# KiCad board RP2040_motor.kicad_pcb (continued)
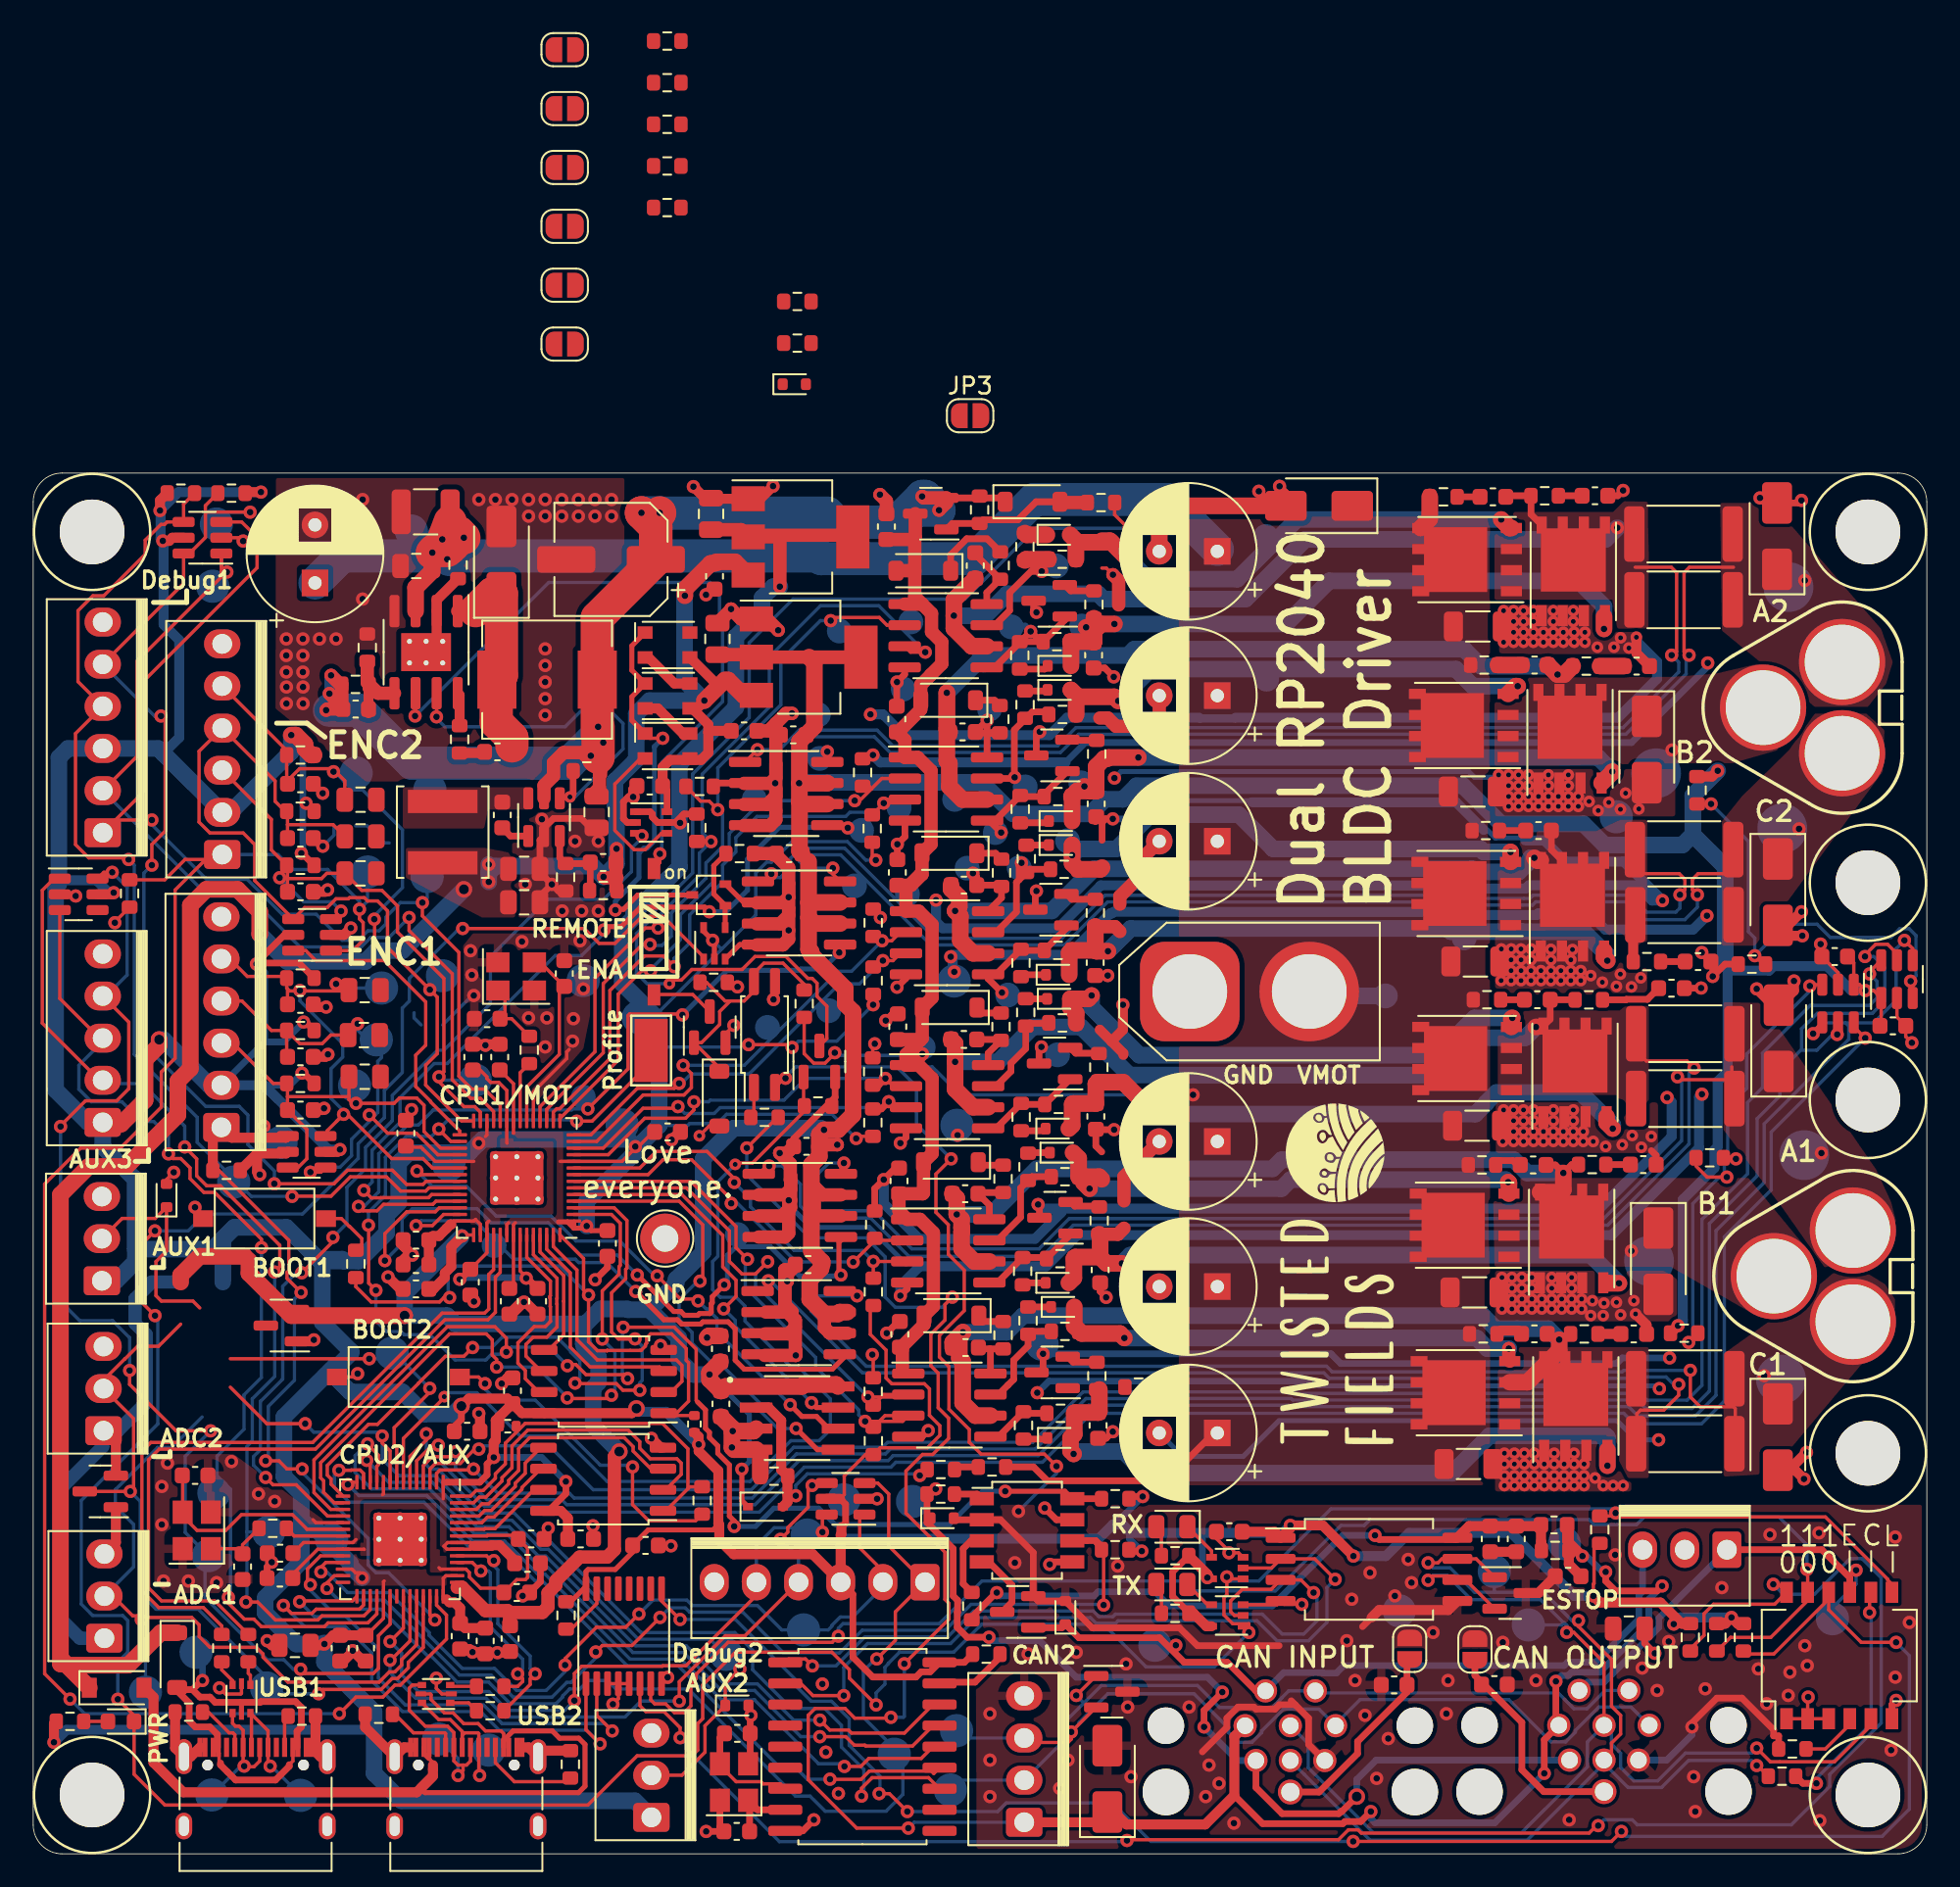
[diagram p0: board, top side]
## Nets (continued)
/power_and_cpu/ENC2_CS: C63.2 C91.2 J4.4 R55.2 TP24.1 U15.28 U30.4
/power_and_cpu/ENC2_RX: C64.2 C90.2 J4.3 R57.2 TP25.1 U15.27 U30.3
/power_and_cpu/ENC2_SCK: C23.2 C92.2 J4.5 R53.2 TP23.1 U15.29 U30.6
/power_and_cpu/ESTOP: R76.2 TP22.1 U15.30 U19.17 U34.8
/power_and_cpu/ESTOP_SQUARE: D28.1 J2.6 J17.6 R75.1 TP59.1
/power_and_cpu/ESTOP_SWITCH_IN: D32.1 J2.1 J8.3 Q7.1 TP61.1
/power_and_cpu/ESTOP_SWITCH_OUT: J8.1 J17.1 SW3.9 TP63.1
/power_and_cpu/ESTOP_SWITCH_STATUS: R49.2 U19.27 U34.6
/power_and_cpu/FB: C113.2 R96.1 R97.2 U33.5
/power_and_cpu/GPIO0: U15.2 U19.16
/power_and_cpu/GPIO1: U15.3 U19.15
/power_and_cpu/GPIO23: U15.35 U22.6
/power_and_cpu/GPIO24: J5.5 R62.2 TP14.1 U15.36 U43.6
/power_and_cpu/GPIO25: J5.4 R63.1 TP13.1 U15.37 U43.4
/power_and_cpu/ID1: R13.2 SW3.12 U35.6
/power_and_cpu/ID2: R12.2 SW3.11 U35.7
/power_and_cpu/ID3: R11.2 SW3.10 U35.9
/power_and_cpu/LED: U10.3 U19.18
/power_and_cpu/QSPI_SCLK: U12.6 U15.52
/power_and_cpu/QSPI_SCLK_2: U13.6 U19.52
/power_and_cpu/QSPI_SD0: U12.5 U15.53
/power_and_cpu/QSPI_SD0_2: U13.5 U19.53
/power_and_cpu/QSPI_SD1: U12.2 U15.55
/power_and_cpu/QSPI_SD1_2: U13.2 U19.55
/power_and_cpu/QSPI_SD2: U12.3 U15.54
/power_and_cpu/QSPI_SD2_2: U13.3 U19.54
/power_and_cpu/QSPI_SD3: U12.7 U15.51
/power_and_cpu/QSPI_SD3_2: U13.7 U19.51
/power_and_cpu/QSPI_SS: R41.1 R42.2 U12.1 U15.56
/power_and_cpu/QSPI_SS_2: R51.2 R66.1 U13.1 U19.56
/power_and_cpu/RXD: U17.2 U18.2 U23.2
/power_and_cpu/RXI_2: J12.4 TP31.1 U3.4 U19.37
/power_and_cpu/SCL1: U19.30 U35.1
/power_and_cpu/SDA1: U19.29 U35.2
/power_and_cpu/SPI1_CSn_2: U18.16 U19.12
/power_and_cpu/SPI1_INT: U18.12 U19.6
/power_and_cpu/SPI1_RX_2: U18.15 U19.11
/power_and_cpu/SPI1_SCK_2: U18.13 U19.13
/power_and_cpu/SPI1_TX_2: U18.14 U19.14
/power_and_cpu/SW: C114.1 D27.1 L3.1 U33.1
/power_and_cpu/SWCLK: J5.1 TP10.1 U15.24 U43.3
/power_and_cpu/SWCLK_2: J12.1 TP28.1 U3.3 U19.24
/power_and_cpu/SWD: J5.2 TP11.1 U15.25 U43.1
/power_and_cpu/SWD_2: J12.2 TP29.1 U3.1 U19.25
/power_and_cpu/TH_MOTOR1: J3.1 R74.1 TP16.1 U19.40 U29.1
/power_and_cpu/TH_MOTOR2: J4.1 R79.1 TP27.1 U19.41 U30.1
/power_and_cpu/TXD: U6.2 U17.3 U18.1
/power_and_cpu/TXO_2: J12.5 TP32.1 U3.6 U19.36
/power_and_cpu/USB_D+: J1.A6 J1.B6 TP41.1 U27.6
/power_and_cpu/USB_D-: J1.A7 J1.B7 TP42.1 U27.4
/power_and_cpu/USB_D_2+: J6.A6 J6.B6 TP43.1 U28.6
/power_and_cpu/USB_D_2-: J6.A7 J6.B7 TP39.1 U28.4
/power_and_cpu/USB_DN: R61.2 U15.46
/power_and_cpu/USB_DN_2: R71.2 U19.46
/power_and_cpu/USB_DP: R60.2 U15.47
/power_and_cpu/USB_DP_2: R70.2 U19.47
/power_and_cpu/VDC_CLK: U15.5 U22.7
/power_and_cpu/VDC_CS: U15.4 U22.5
/power_and_cpu/WS2812_SINK: D33.1 D34.1 D35.1 Q11.3
/power_and_cpu/~{EN}: SW4.2 U33.6
/power_and_cpu/~{USB_BOOT_2}: R66.2 SW2.2
/power_and_cpu/~{USB_BOOT}: R41.2 SW1.2
M1A_PWM_H: R129.2 U7.2 U15.11
M1A_PWM_L\: R130.2 U7.3 U15.12
M1A_SENSE: TP55.1 U15.40 U20.5
M1B_PWM_H: R125.2 U4.2 U15.8
M1B_PWM_L\: R126.2 U4.3 U15.9
M1C_PWM_H: R127.2 U1.2 U15.6
M1C_PWM_L\: R128.2 U1.3 U15.7
M1C_SENSE: TP12.1 U14.5 U15.41
M2A_PWM_H: R120.2 TP85.1 U8.2 U15.17
M2A_PWM_L\: R119.2 TP86.1 U8.3 U15.18
M2A_SENSE: TP87.1 U15.38 U21.5
M2B_PWM_H: R121.2 TP93.1 U5.2 U15.15
M2B_PWM_L\: R122.2 TP92.1 U5.3 U15.16
M2C_PWM_H: R123.2 TP91.1 U2.2 U15.13
M2C_PWM_L\: R124.2 TP90.1 U2.3 U15.14
M2C_SENSE: TP69.1 U15.39 U44.5
VMOT: AH1.3 AH2.3 BH1.3 BH2.3 C3.1 C4.1 C5.1 C6.1 C7.1 C26.1 C68.1 C76.1 C77.1 C78.1 C79.1 C80.1 C111.1 C112.1 C120.1 CH1.3 CH2.3 D4.1 J21.2 R2.1 R4.1 R5.1 R14.1 R86.1 R88.1 R91.1 R95.2 R102.1 R118.1 TP49.1 TP72.1 U33.3
Net-(C28-Pad1): C28.1 R52.2 Y1.1
Net-(C42-Pad1): C42.1 R47.2 Y2.1
Net-(C93-Pad1): C93.1 R4.2
Net-(C99-Pad1): C99.1 R5.2
Net-(C100-Pad1): C100.1 R14.2
Net-(C101-Pad1): C101.1 R86.2
Net-(C102-Pad1): C102.1 R87.2
Net-(C103-Pad1): C103.1 R88.2
Net-(C104-Pad1): C104.1 R89.2
Net-(C105-Pad1): C105.1 R90.2
Net-(C106-Pad1): C106.1 R91.2
Net-(C107-Pad1): C107.1 R92.2
Net-(C108-Pad1): C108.1 R93.2
Net-(C109-Pad1): C109.1 R94.2
Net-(C114-Pad2): C114.2 R98.2
Net-(D2-K): D2.1 R26.1
Net-(D5-K): D5.1 R7.2
Net-(D6-K): D6.1 R8.2
Net-(D7-K): D7.1 R3.1
Net-(D10-K): D10.1 R1.1
Net-(D11-K): D11.1 R19.1
Net-(D12-K): D12.1 R20.2
Net-(D13-K): D13.1 R82.2
Net-(D14-K): D14.1 R30.2
Net-(D15-K): D15.1 R22.2
Net-(D16-K): D16.1 R18.2
Net-(D17-K): D17.1 R31.2
Net-(D19-K): D19.1 R37.1
Net-(D20-K): D20.1 R38.2
Net-(D21-K): D21.1 R6.1
Net-(D22-K): D22.1 R34.2
Net-(D23-K): D23.1 R35.2
Net-(D24-K): D24.1 R39.2
Net-(D31-A): D31.2 R64.2 R65.1 U22.2
Net-(D33-DIN): D33.2 U10.4
Net-(D33-DOUT): D33.4 D34.2
Net-(D34-DOUT): D34.4 D35.2
Net-(D38-A): D38.2 R67.2
Net-(D38-K): D38.1 U6.4
Net-(D39-A): D39.2 R68.2
Net-(D39-K): D39.1 U23.4
Net-(D41-A): D41.2 R77.2
Net-(D45-K): D45.1 Q8.1 R102.2 R103.1 U16.4
Net-(D46-A): D46.2 Q10.1 R104.1 R139.1
Net-(D53-K): D54.2 R118.2 R131.1
Net-(J1-CC1): J1.A5 R43.2
Net-(J1-CC2): J1.B5 R44.1
Net-(J6-CC1): J6.A5 R40.2
Net-(J6-CC2): J6.B5 R46.1
Net-(JP1-B): C92.1 JP1.2
Net-(JP2-B): C89.2 JP2.2
Net-(JP4-B): C90.1 JP4.2
Net-(JP5-B): C91.1 JP5.2
Net-(JP6-B): C123.1 J17.9 JP6.2
Net-(JP7-B): C124.1 J2.9 JP7.2
Net-(JP8-B): C88.2 JP8.2
Net-(JP9-B): C87.1 JP9.2
Net-(Q1-B): Q1.1 R117.2
Net-(Q1-E): Q1.2 R23.1
Net-(Q2-B): Q2.1 R111.2
Net-(Q2-E): Q2.2 R29.1
Net-(Q3-B): Q3.1 R112.2
Net-(Q3-E): Q3.2 R36.1
Net-(Q4-B): Q4.1 R108.2
Net-(Q4-E): Q4.2 R73.1
Net-(Q5-B): Q5.1 R110.2
Net-(Q5-E): Q5.2 R81.1
Net-(Q6-B): Q6.1 R140.2
Net-(Q6-E): Q6.2 R85.1
Net-(Q7-D): Q7.3 U34.4
Net-(Q8-D): Q8.3 SW4.1
Net-(Q9-D): Q9.3 R104.2
Net-(Q11-G): Q11.1 R138.1 U25.4
Net-(R2-Pad2): R2.2 R64.1
Net-(R10-Pad1): R10.1 SW3.4
Net-(R48-Pad2): R48.2 U34.3
Net-(R60-Pad1): R60.1 U27.1
Net-(R61-Pad1): R61.1 U27.3
Net-(R70-Pad1): R70.1 U28.1
Net-(R71-Pad1): R71.1 U28.3
Net-(R75-Pad2): R75.2 U34.1
Net-(R95-Pad1): R95.1 U33.2 U33.9
Net-(R100-Pad2): R100.2 U16.1
Net-(U1-HO): R82.1 R84.1 U1.7
Net-(U1-LO): R20.1 R83.1 R140.1 U1.5
Net-(U1-VB): C85.2 R19.2 U1.8
Net-(U2-HO): R8.1 R28.1 TP65.1 U2.7
Net-(U2-LO): R7.1 R27.1 R111.1 TP67.1 U2.5
Net-(U2-VB): C65.2 R1.2 TP62.1 U2.8
Net-(U4-HO): R35.1 R80.1 U4.7
Net-(U4-LO): R34.1 R78.1 R110.1 U4.5
Net-(U4-VB): C71.2 R6.2 U4.8
Net-(U5-HO): R22.1 R24.1 TP75.1 U5.7
Net-(U5-LO): R18.1 R25.1 R117.1 TP76.1 U5.5
Net-(U5-VB): C13.2 R26.2 TP78.1 U5.8
Net-(U7-HO): R39.1 R69.1 U7.7
Net-(U7-LO): R38.1 R59.1 R108.1 U7.5
Net-(U7-VB): C84.2 R37.2 U7.8
Net-(U8-HO): R31.1 R33.1 TP80.1 U8.7
Net-(U8-LO): R30.1 R32.1 R112.1 TP83.1 U8.5
Net-(U8-VB): C70.2 R3.2 U8.8
Net-(U9-VIN): R45.1 TH1.2 U9.3
Net-(U15-XIN): C27.1 U15.20 Y1.3
Net-(U15-XOUT): R52.1 U15.21
Net-(U18-OSC1): C58.1 U18.8 Y3.1
Net-(U18-OSC2): C57.1 U18.7 Y3.3
Net-(U18-~{RESET}): R72.1 U18.17
Net-(U19-XIN): C19.1 U19.20 Y2.3
Net-(U19-XOUT): R47.1 U19.21
Net-(U24-BS): C98.1 U24.1
Net-(U24-FB): C97.2 R15.1 R16.1 U24.3
Net-(U24-SW): C98.2 L2.1 U24.6
Net-(U26-VIN): R21.1 TH2.2 U26.3
Net-(U35-~{RESET}): R137.1 U35.15

Pads without a net: D35 4; J1 A8 B8; J6 A8 B8; J8 2; U18 3 4 5 6 10 11; U19 28 35; U31 4; U35 10 11 12 13 14

## Via types
v1: diameter 0.7, hole 0.3, Top to Bottom, 213 vias
v2: diameter 0.8, hole 0.4, Top to Bottom, 635 vias
v3: diameter 1, hole 0.6, Top to Bottom, 8 vias

## Routing (per net, layer and track width the routed paths; a pad name or vN(x,y) marks a point on that pad's centre or on a via; arc(x,y) is an arc through that point)
12V_SWITCHED: length 70.5
  Top w0.8: 53.12,79.34 53.02,79.25 C15.2 ; 53.12,79.34 53.12,77.33 ; 53.12,79.34 53.15,79.37 Q10.3 ; 52.07,58.4 52.9,58.4 53.55,59.06 ; 53.12,77.33 53.12,75.8 53.57,75.35 ; 53.12,77.33 53.09,77.36 51.99,77.36 ; U7.1 52.91,47.56 v2(53.57,48.23) ; U7.1 53.36,47.56 54.17,46.75 54.17,42.22 53.65,41.7 53.65,39.84 53.6,39.8 C14.2 52.17,38.75 U4.1 53.43,38.26 54.24,37.45 54.24,33.01 D11.2 53.68,31.91 52.31,30.55 C10.2 52.37,30.4 52.37,29.32 ; U7.1 52.59,48.19 53.45,49.05 ; 53.57,75.35 U8.1 ; 53.57,75.35 54.13,74.78 54.13,73.67 54.75,73.05 54.75,71.75 54.09,71.09 54.09,71.08 53.49,70.48 53.48,70.48 D2.2 53.48,68.99 52.13,67.64 C11.2 52.53,67.15 U5.1 53.29,66.11 54.1,65.3 54.1,60.87 D10.2 53.55,59.06 ; 53.55,59.06 53.46,59.06 52.59,58.18 U2.1 53.35,56.84 54.16,56.03 54.16,51.62 D19.2 53.57,49.17 53.45,49.05 ; 53.45,49.05 53.41,49.09 C81.2
+1V1: length 18.7
  Top w0.2: U15.50 29.34,35.14 C30.1 ; C31.1 26.92,47.26 27.33,46.85 27.33,46.75 27.57,46.51 28.05,46.51 28.54,46.02 U15.23 28.54,42.86 28.55,42.85 ; 27.45,38.15 27.34,38.04 U15.45 27.34,36.24 C32.1
  Top w0.4: C32.1 25.74,34.64 v2(25.7,34.64) ; v2(29.71,34.71) 29.77,34.71 C30.1
  Bottom w0.4: v2(25.7,34.64) 25.8,34.74 29.68,34.74 v2(29.71,34.71)
+3.3VA: length 329.8
  Top w0.2: v2(25.85,37.25) 25.91,37.31 U15.43 ; C20.2 111.35,49.99 U9.1 110.9,52.05 v2(110.4,52.05) 110.05,52.4 U26.1 109.7,53.73 C18.2 ; 28.74,13.61 28.74,13.91
  Top w0.3: v2(42.7,23.19) 42.7,21.3 D31.1
  Top w0.6: v2(25.85,37.25) 25.19,36.59 25.19,35.4 24.8,35.01 24.8,34.74 24.12,34.06 C41.1 ; J13.1 4.98,24.77 D36.2 ; v2(101.5,65.3) 101.15,64.95 TH1.1 ; v2(99.11,31.84) TH2.1
  Top w0.8: U20.7 47.56,39.73 47.07,40.22 47.07,38.57 47.18,38.46 U20.6 ; C24.1 43.43,72.3 U11.2 U11.2 46.75,72.15 ; 49.05,31.39 48.01,31.39 47.68,31.72 47.68,32.55 ; 28.7,14.55 28.7,13.79 C52.1 ; 28.7,14.55 28.59,14.66 27.25,14.66 25.84,16.07 25.54,16.07 ; 28.7,14.55 30.68,14.55 31.02,14.89 31.02,15.73 31.5,16.21 31.5,16.47 32.92,17.89 34.58,17.89 35.02,18.33 35.02,23.96 v3(35.32,24.25) ; 47.27,42.56 C59.1 47.46,42.75 v2(48.45,42.75)
  Top w1: U44.6 47.08,56.09 46.72,56.45 ; U21.7 47.84,64.55 46.17,64.55 ; 46.72,56.45 46.72,54.54 46.88,54.38 46.88,54.21 48.93,52.16 48.93,51.24 49.4,50.77 49.4,44.56 48.49,43.65 v2(47.65,43.65) 47.37,43.37 C59.1 47.37,42.04 46.89,41.56 46.89,36.34 47.54,35.69 47.54,35.55 ; 46.72,56.45 46.72,57.35 ; C72.1 47.47,35.29 46.79,34.61 46.79,33.44 47.68,32.55 48.49,32.55 U14.7 49.05,32.66 ; v3(22.38,32.45) 15.55,32.45 13,35 13,35.75 12.73,36.03 10.02,36.03 8.88,34.89 8.88,34.48 ; U44.7 46.73,57.36 46.72,57.35 ; 46.17,64.55 46.17,67.06 C66.1 47.07,67.97 47.07,71.83 46.75,72.15 ; 46.17,64.55 46.17,63.43 ; U22.8 48.38,28.3 46.44,28.3 46.32,28.18 41.71,28.18 C22.1 40.75,28.59 v2(40.75,28.9) 40.75,29.02 C35.2 ; C74.1 46.18,60.45 46.18,63.43 46.17,63.43 ; 46.72,59.84 46.72,57.35 ; U21.6 46.31,63.29 46.17,63.43
  Bottom w0.3: v2(42.7,23.19) 43.15,23.64 43.15,26.5 v2(40.75,28.9)
  Bottom w0.6: 101.38,65.18 v2(101.5,65.3) ; v2(110.4,52.05) 109.55,52.05 108.08,53.52 104.87,53.52 104.6,53.25 102.12,53.25 102.1,53.27 102.1,47.17 101.5,46.57 101.5,42.64 101.3,42.44 101.3,41.35 99.4,39.45 99.4,32.14 v2(99.11,31.84)
  Bottom w0.8: J9.1 2.81,13 1.59,14.22 1.59,21.96 4.19,24.56 4.19,25.46 5.06,25.46 6.81,27.21 6.81,31.31 6.14,31.98 6.14,33.47 7.15,34.48 8.88,34.48 ; v2(47.65,43.65) 47.65,43.55 v2(48.45,42.75)
  Bottom w1: v2(40.75,28.9) 39.8,28.9 38.9,29.8 38.9,31.11 38.26,31.75 38.2,31.75 37.15,32.81 ; 100,61.45 99.38,60.83 94.69,60.83 93.41,62.1 88.45,62.1 86.15,64.4 66.48,64.4 65.66,63.58 64.57,63.58 63.69,62.7 59.05,62.7 57.16,64.59 46.2,64.59 v2(46.15,64.55) ; 100,61.45 101.95,59.5 101.95,53.71 102.08,53.57 ; 100,61.45 100,63.8 v2(101.5,65.3) ; 33.15,31.95 33.15,30.76 33.19,30.72 33.19,30.58 33.83,29.94 34.06,29.94 34.06,28.42 33.74,28.11 33.74,25.82 v3(35.32,24.25) ; 33.15,31.95 25.44,31.95 24.94,32.45 v3(22.38,32.45) 22.38,33.78 25.78,37.18 ; 33.15,31.95 33.28,31.95 34.18,32.85 35.8,32.85 35.85,32.81 37.15,32.81 ; 37.15,32.81 38.74,34.4 38.74,34.64 40.37,36.27 40.37,41.9 42.22,43.75 47.45,43.75 47.55,43.65 v2(47.65,43.65) ; J13.1 4.19,25.46
+3V3: length 644.4
  Top w0.2: 28.95,43.45 28.94,43.46 U15.22 28.94,46.43 C39.1 ; 21.05,21.65 21.11,21.71 U19.10 ; 21.15,16.45 21.11,16.41 U19.33 21.11,14.21 20.07,13.18 C48.1 ; C50.1 16.29,18.77 U19.22 19.27,18.77 19.45,18.95 ; v2(43.11,48.78) 45.57,48.78 v2(45.73,48.62) ; 22.46,42.43 22.63,42.6 23.36,42.6 23.49,42.48 23.49,42.48 24.22,41.75 25.13,41.75 25.13,41.75 U15.33 26.55,41.75 ; U15.26 27.34,43.34 27.25,43.25 ; v2(49.59,43.13) 49.72,43.26 R130.1 ; R124.1 50.61,51.82 v2(50.61,51.19) ; 31.75,41.75 U15.10 35.48,41.75 36.28,42.55 v2(36.28,42.64) 36.46,42.64 37.45,43.62 ; U19.26 19.2,17.17 19.42,16.95 19.65,16.95 19.82,16.78 v2(19.82,16.64) ; R17.1 94.05,18.38 94.05,16.31 94.01,16.27 v2(94.01,15.55) ; v2(50.77,59.91) 50.55,60.13 R122.1 ; 50.63,32.92 50.44,32.73 50.44,31.32 51.39,30.37 51.39,28.69 51.74,28.34 53.7,28.34 54.01,28.03 54.01,26.43 54.63,25.81 54.63,25.23 53.88,24.48 51.04,24.48 R128.1 50.15,24.07 48.87,22.79 48.87,21.66 48.62,21.41 ; 24.71,15.34 U19.42 24.71,16.61 24.87,16.77 U19.44 ; 29.05,38.05 28.94,37.94 U15.49 28.94,34.24 28.79,34.09 ; U15.44 26.94,37.96 26.65,38.25 26.55,38.15 U15.42 25.35,38.15 24.9,37.7 ; U15.48 28.54,37.94 28.65,38.05 ; 24.71,22.51 U19.1 24.71,21.41 ; U19.48 26.35,18.37 26.55,18.57 26.35,18.77 U19.49 24.97,18.77 24.75,18.55 24.93,18.37 U19.48
  Top w0.3: U25.5 40.4,55.63 v2(40.94,55.08) 41.04,54.98 U25.2 ; 34.6,37.58 33.62,37.58 v2(33.35,37.85) 33.22,37.72 32.58,37.72 ; R137.2 32.39,15.2 33.18,15.99 U35.16 33.31,17.02 33.43,17.14 35.07,17.14 36.12,18.19 C67.1 37.05,19.53 40.96,19.53 41.27,19.84 41.34,19.84 ; 32.58,37.72 32.58,38.1 ; 32.58,37.72 32.2,38.1 31.65,38.1
  Top w0.4: U10.1 37.17,62.83 37.31,62.69 37.31,62.5 37.63,62.18 U10.5 38.7,62.18 39.21,62.69 ; v2(16.2,47.07) 16.3,47.07 R58.1 ; 39.21,62.69 39.11,62.59 39.11,62.29 38.96,62.14 ; 39.21,62.69 R119.1 ; R68.1 68.66,17 68.66,15.52 69.63,14.54 R67.1 ; v2(16.16,60.33) 16.2,60.33 R57.1 ; R54.1 16.02,53.71 13.51,53.71 v2(13.45,53.65) 13.45,53.72 15.13,55.41 U30.5 ; v2(66.8,18.25) 66.1,18.25 R49.1 ; 48.7,19.69 48.95,19.94 48.95,21.07 48.62,21.41 ; v2(66.85,21.54) 66.16,21.54 66.03,21.41 ; v2(27.75,23.9) 27.35,23.5 27.35,22.85 26.9,22.4 24.81,22.4 ; U13.8 31.06,20.68 32.1,21.72 v2(32.1,22.45) ; R72.2 56.11,11.54 U18.18 54.04,10.97 53.51,10.97 53.19,10.66 50.59,10.66 49.39,11.86 49.39,15.65 J12.3 ; v2(16.29,50.15) 16.41,50.15 R56.1 ; v2(16.44,63.34) R55.1 ; 25.52,25.48 C49.1 25.37,25.76 25.8,26.2 v3(25.8,27)
  Top w0.6: 28.08,26.35 28.88,27.15 ; 28.08,26.35 27.87,26.14 27.87,24.93 27.75,24.81 v2(27.75,23.9) ; 28.08,26.35 R51.1 ; 28.88,27.15 29.46,26.57 U12.8 36.07,26.57 v3(36.35,26.85) 36.45,26.65 ; 28.88,27.15 28.57,27.45 26.26,27.45 v3(25.8,27) ; 48.7,19.69 48.7,19.27 48.66,19.23 J12.3 46.98,18.06 42.21,18.06 41.34,18.93 41.34,19.84 41.28,19.9 41.28,23.09 40.1,24.27 v2(40.1,24.69) 40.1,25.15 R42.1 ; R63.2 7.64,81.6 v2(7.64,80.99) ; R67.1 69.91,14.5 70.69,13.72 U6.5 ; v2(18.48,42.46) 18.34,42.33 U29.5 ; 99.85,13.88 99.32,13.88 98.05,15.15 94.41,15.15 v2(94.01,15.55) ; 101.45,13.88 101.95,13.88 v2(102.33,14.25) 102.71,13.88 103.05,13.88 ; v2(70.75,16.65) 70.75,16.86 R68.1 ; v2(7.81,79.16) 8.19,79.16 8.38,79.35 U43.5 ; 48.62,21.41 U3.5 ; v2(13.73,82.1) 12.84,82.1 R62.1 ; 27.24,13.61 26.02,13.61 C51.1 25.73,14.82 25.38,15.17 25.08,15.17 24.91,15.34 ; R77.1 1.25,7.84 v2(1.25,6.73) ; 29.03,17.4 29.01,17.42 C46.1 29.01,17.7 28.11,18.6 27.63,18.6 27.59,18.57 26.55,18.57 ; C48.1 18.07,13.18 v2(17.55,12.65) 17.47,12.57 C29.1 16.9,12.38 ; U13.8 31.78,20.68 32.22,20.24 32.22,19.02 ; C56.2 74.8,19.42 U17.1 75.75,19.64 v2(75.75,19.8) 77.7,19.8 v2(79.55,17.95) ; U31.5 4.75,57.85 v2(4.85,57.95) ; 23.84,35.81 C40.1 24.09,37.25 24.45,37.25 25.15,37.95 25.2,37.95
  Top w0.8: v2(44.99,76.4) 44.99,79.39 44.98,79.4 U32.2 ; U32.2 49.29,79.5 43.18,79.5 U32.2 ; U32.2 42.65,79.84 C110.1
  Top w1: 4.19,43.9 J15.1 4.29,44 5.3,44 6.74,45.44 6.74,47.89 7.59,48.74 v3(7.59,49.09) ; R53.1 16.75,66.25 16.38,66.62 16.38,66.9 15.83,67.45 v2(15.55,67.45)
  Bottom w0.2: 41.53,54.6 43.54,56.61 43.54,59.14 44.19,59.79 44.49,59.79 45.73,61.03 49.05,61.03 50.17,59.91 v2(50.77,59.91) ; 41.53,54.6 37.45,50.52 ; 41.53,54.6 41.42,54.6 v2(40.94,55.08) ; v2(50.61,51.19) 48.42,49 46.11,49 v2(45.73,48.62) ; v2(49.59,43.13) 48.13,44.59 41.78,44.59 41.22,44.03 39.55,44.03 39.44,43.92 37.72,43.92 ; 37.72,48.64 42.96,48.64 v2(43.11,48.78)
  Bottom w0.4: v2(16.29,50.15) 15.09,48.95 13.95,48.95 ; 70.45,19.35 70.45,16.95 v2(70.75,16.65) ; v2(27.75,23.9) 30.65,23.9 v2(32.1,22.45) ; 13.95,48.95 13.95,53.15 v2(13.45,53.65) ; 13.95,48.95 J3.2 15.46,46.34 v2(16.2,47.07) ; v2(16.16,60.33) 16.25,60.42 16.25,63.15 v2(16.44,63.34) 16.25,63.54 16.25,66.75 v2(15.55,67.45) ; 66.05,19.45 66.05,19 v2(66.8,18.25) ; v2(66.85,21.54) 65.36,20.05 65.25,20.05 65.05,19.85
  Bottom w0.6: v2(40.1,24.69) 38.13,26.65 36.45,26.65 ; v2(75.75,19.8) 75.3,19.35 66.15,19.35 65.65,19.85 65.05,19.85 64.2,19 48.75,19 48.66,18.91 J12.3 ; v2(98.85,13.85) 99.25,14.25 v2(102.33,14.25) ; v2(79.55,17.95) 81.5,17.95 82.9,19.35 89.05,19.35 92.85,15.55 v2(94.01,15.55) ; J3.2 13.91,46.34 17.79,42.46 v2(18.48,42.46) ; 20.54,7.75 20.27,7.48 2.01,7.48 v2(1.25,6.73) ; v2(4.85,57.95) 4.55,57.95 3.8,58.7 1.75,58.7 1.55,58.5 ; 7.84,66.34 8.8,67.3 8.8,73.18 7.86,74.12 7.86,79.11 v2(7.81,79.16) 7.68,79.3 7.68,80.96 v2(7.64,80.99) 8.75,82.1 v2(13.73,82.1)
  Bottom w1: J14.1 36.25,3.2 22.19,3.2 20.54,4.85 20.54,8.56 17.55,11.55 17.55,12.71 ; J3.2 10.61,46.34 7.86,49.09 v3(7.59,49.09) ; 16.15,20.15 16.15,17.61 13.98,15.44 13.98,14.52 15.85,12.65 v2(17.55,12.65) ; 16.15,20.15 16.75,19.55 17.07,19.55 19.12,17.5 19.12,17.34 v2(19.82,16.64) ; 16.15,20.15 16.15,21.71 15.11,22.75 15.11,26.34 18.21,29.45 18.21,29.45 ; 12.13,37.78 10.81,36.46 6.15,36.46 6.15,40.67 ; 12.13,37.78 15.26,37.78 17.18,35.85 18.63,35.85 18.74,35.74 ; 12.13,37.78 11.43,37.08 11.43,34.48 ; 18.74,35.74 17.43,35.74 17.43,32.03 19.15,30.31 19.15,30.2 18.4,29.45 18.21,29.45 ; 18.74,35.74 19.59,35.74 21.3,37.44 21.3,38.52 22.02,39.24 22.02,41.67 22.63,42.28 26.28,42.28 v2(26.85,42.85) 27.07,43.08 35.85,43.08 v2(36.28,42.64) ; v2(33.35,37.85) 33.35,39.35 36.28,42.28 v2(36.28,42.64) ; v3(25.8,27) 25.32,26.51 23.59,26.51 22.25,27.85 19.09,27.85 18.21,28.73 18.21,29.45 ; 6.15,40.67 4.19,42.63 J15.1 3.3,44.1 1.35,46.05 1.35,58.3 1.55,58.5 1.55,66.1 2.1,66.64 J5.3 7.54,66.64 J4.2 11.89,62.79 15.55,66.45 v2(15.55,67.45) ; 6.15,40.67 6.15,35.7 5,34.55 J10.1 ; v2(44.99,76.4) 44.59,76.4 43.91,75.72 43.91,74.95 42.34,73.38 42.34,69.12 38.94,65.72 38.94,59.48 36.18,56.72 36.18,56.44 35.54,55.8 35.49,55.8 35.49,52.48 37.72,50.25 37.72,43.92 36.44,42.64 v2(36.28,42.64)
  vias: v2(38.98,62.16)
+5V: length 141.8
  Top w0.4: C119.1 38.19,64.12 U10.6 ; R15.2 35.18,59.71 C97.1
  Top w0.6: D35.3 41.3,70.4 v2(40.44,69.53) 40.44,69.49 40.01,69.06 D34.3 39.71,69.06 40.68,68.09 40.68,67.61 ; 40.68,67.61 40.68,66.39 40.24,65.95 38.36,65.95 37.93,65.52 C119.1 ; 40.68,67.61 40.77,67.71 C121.1
  Top w0.8: v2(34.36,58.9) 34.42,58.85 35.18,58.85 ; R15.2 35.12,58.14 C97.1 35.15,59.8 v2(35.15,60.6)
  Top w1: D43.1 7.68,13.33 5.73,11.38 2.04,11.38 1.8,11.61 ; C122.1 40.82,77.8 39.27,76.25 v2(39.27,75.85) ; 1.8,11.61 1.64,11.45 1.64,39.74 3.34,41.44 5.61,41.44 8.72,44.55 8.72,46.59 9.47,47.34 9.47,57.19 10.43,58.15 12.31,58.15 13.65,56.81 v3(13.65,55.45) ; 1.8,11.61 1.8,11.59 D37.1 ; U32.3 42.29,77.9 41.16,77.9 ; v2(40.44,69.53) 41.68,70.77 41.88,70.77 42.79,69.85 U11.3
  Bottom w1: v3(13.65,55.45) 15.3,53.8 20.02,53.8 20.67,54.45 22.25,54.45 v3(25.95,58.15) ; 27.45,59.15 27.85,59.55 33.72,59.55 v2(34.36,58.9) 35.15,59.69 35.15,63.16 35.05,63.26 35.05,64.68 36.34,65.97 36.34,68.73 37.14,69.53 v2(40.44,69.53) 39.25,70.72 39.25,75.83 v2(39.27,75.85) ; v2(27.45,59.65) v2(27.45,58.6)
+5V_ISO: length 142.3
  Top w0.2: v2(52.73,1.55) 49.62,1.55 46.7,4.47 46.7,8.35 47.11,8.76 48.92,8.76 49.5,8.18 51.63,8.18 v2(51.68,8.23) ; v2(52.49,11.46) 55.18,14.15 55.18,15.1 54.93,15.34 54.93,18.19 52.59,20.53 52.59,23.08 53.59,24.08 54.2,24.08 55.16,25.04 55.16,26.26 54.53,26.89 54.53,28.98 54.09,29.42 54.09,31.33 54.94,32.18 54.94,33.12 v2(55.38,33.56) ; v2(43,42.56) 44.85,44.41 R100.1
  Top w0.4: 72.38,3.52 74.08,1.82 78.91,1.82 79.04,1.95 80,1.95 v2(80.6,2.55) ; v2(91.05,4.85) 91.05,6.88 J17.7 91.92,7.98 91.75,8.15 v2(91.75,10.4) ; 63.9,1.9 64.06,1.75 ; v2(94.75,17) 94.75,16.45 95.35,15.85 97.85,15.85 v2(98.15,16.15)
  Top w0.6: 92.43,19.62 92.43,18.87 v2(93.35,17.95) ; 92.43,19.62 FB2.2 ; 92.43,19.62 92.53,19.52 92.53,17.47 C8.2 ; J2.7 72.38,7.08 72.38,3.52 70.62,1.77 65.87,1.77 64.82,2.82 ; 63.9,1.9 59.71,1.9
  Bottom w0.2: v2(43,42.56) 43,40.94 46.8,37.14 50.19,37.14 51.33,36 51.33,33.57 51.95,32.95 54.77,32.95 v2(55.38,33.56) ; v2(51.68,8.23) 52.43,8.23 52.49,8.29 v2(52.49,11.46) ; 59.71,1.9 53.08,1.9 v2(52.73,1.55)
  Bottom w0.4: v2(98.15,16.15) 97.35,15.35 97.35,13.9 94.4,10.95 92.7,10.95 92.5,10.75 92.1,10.75 v2(91.75,10.4) ; v2(91.05,4.85) 88.07,1.87 80.85,1.87 80.6,2.13 v2(80.6,2.55) ; v2(94.75,17) 94.55,17 93.6,17.95 v2(93.35,17.95)
+5V_ISO_FILT: length 38.9
  Top w0.4: U17.8 85.71,18.95 81.1,18.95 v2(80.85,19.2) ; R48.1 56.55,14.27 58.03,15.75 v2(58.06,15.75)
  Top w0.6: 90.88,18.8 90.85,18.82 FB2.1 90.78,19.76 86.52,19.76 U17.8
  Bottom w0.4: v2(58.06,15.75) 58.26,15.55 63.92,15.55 64.17,15.8 67.6,15.8 68.45,14.95 74.66,14.95 78.91,19.2 v2(80.85,19.2)
+12V: length 80.3
  Top w0.4: D46.1 58.33,81.75 55.03,81.75
  Top w0.8: C113.1 18.66,69.15 v2(17.85,69.95) ; C113.1 18.6,69.08 R96.2 18.49,70.51 v2(17.95,71.05) ; C113.1 17.72,69.02 v2(17.65,68.95) ; 34.14,65.32 34.12,65.3 34.12,64.27 33.6,63.75 ; v2(53.56,81.84) 53.65,81.75 55.03,81.75 55.03,81.46 v2(54.58,81.01) ; R106.1 33.08,66.4 31.96,66.4 31.35,65.79 31.35,64.98 30.78,64.41 U24.5
  Top w2: C115.1 33.99,74.52 L3.2 33.99,67.48 ; C115.1 37.52,80.62 v2(37.75,80.85) ; C115.1 37.52,79.99 v2(36.65,80.85) ; v2(34.04,67.95) 34.04,66.11
  Bottom w0.8: 34.31,67.77 33.99,67.45 ; v2(17.65,68.95) 17.85,69.15 v2(17.85,69.95) 17.95,70.05 v2(17.95,71.05)
  Bottom w2: 33.99,67.45 32.29,65.75 22.84,65.75 19.64,68.95 17.85,68.95 ; 54.07,81.58 53.5,81.01 v2(54.58,81.01) 53.75,81.84 v2(53.56,81.84) 52.01,80.29 48.4,80.29 47.86,80.83 37.77,80.83 v2(37.75,80.85) v2(36.65,80.85)
  vias: v2(33.6,66.2) v2(34.35,67)
/power_and_cpu/1V1_2: length 18
  Top w0.2: C44.1 29.14,16.53 29.66,16.53 29.79,16.66 29.79,18.43 C53.1 29.01,19.2 27.38,19.2 27.34,19.17 U19.50 ; 28.27,16.02 26.95,16.02 26.28,16.69 26.28,16.96 26.08,17.17 U19.45 24.53,17.17 24.45,17.25 ; 15.74,16.43 15.74,16.96 17.15,18.37 U19.23 19.93,18.37 19.95,18.35
/power_and_cpu/12V_POK: length 21.9
  Top w0.2: v2(24.3,68.55) 24.31,68.56 U33.7 ; U24.4 32.26,63.64 v1(32.34,63.72)
  Top w0.4: v1(32.34,63.72) 32.53,63.91 R106.2
  Bottom w0.2: v2(24.3,68.55) 24.3,68.46 24.81,67.95 32.05,67.95 32.97,68.87 34.82,68.87 35.54,68.15 35.54,66.62 32.64,63.72 v1(32.34,63.72)
GND: length 812.3
  Top w0.2: v2(19.55,28.95) 19.35,28.75 SW2.1 ; 32.3,48.5 32.15,48.35 32.15,47.95 30.14,45.94 U15.19 ; U28.2 24.63,9.64 24.29,9.98 v2(24.29,10.59) ; v2(44.61,51.51) 44.7,51.6 U16.3 44.7,52.07 ; v2(65.06,77.12) 64.66,77.52 64.4,77.52 ; v2(51.05,56.45) 50.62,56.88 R123.1 ; 71.29,19.39 71.29,19.01 72.05,18.25 v2(72.05,18.15) 72.63,18.15 U23.3 ; v2(12.65,79.15) 12.45,79.35 U43.2 ; SW3.3 SW3.2 ; SW3.2 SW3.1 ; SW3.2 106.92,9.42 v2(106.95,9.45) ; v2(113.2,48.9) 112.83,49.27 C20.1 112.3,50.45 U9.2 ; v2(8.47,41.09) 8.04,40.66 D30.2 ; U35.4 35.26,9.35 v2(34.93,9.02) ; U35.4 U35.5 ; U35.4 U35.3 ; v2(2.56,57.75) 2.05,57.75 1.95,57.85 U31.2 ; D45.2 40.73,43.88 v1(40.14,43.29) ; v2(50.71,48.84) 50.59,48.72 R129.1 ; C37.2 22.46,44.53 v2(22.8,44.87) ; R127.1 50.62,30.05 v2(50.56,30.1) ; v2(107.7,54.85) 107.78,54.78 C18.1 108.75,53.13 U26.2 ; SW1.1 9.75,38.79 v2(9.75,38.98) ; 16.85,20.15 17.03,19.97 U19.19 ; U27.2 12.55,9.69 12.5,9.64 11.6,9.64 v2(11.23,10.01) ; R79.2 4.92,56.19 v2(4.92,56.14) ; 72.91,15.02 74.94,15.02 U17.4 75.37,15.04 v2(76.44,15.04) ; v2(50.85,21.41) U3.2 ; v2(42.22,49.95) 41.71,49.45 41.71,48.91
  Top w0.3: Q11.2 42.82,57.36 U44.2 ; U35.8 38.23,10.63 v2(38.23,10.64) ; C53.2 30.78,19.38 v2(31.03,19.64) ; U25.3 42.57,54.82 U44.4
  Top w0.4: v2(31.25,58.45) 30.54,59.17 C95.1 30.54,61.12 U24.2 ; v2(31.25,58.45) 30.54,57.74 C96.1 ; v2(31.25,58.45) 31.65,58.06 R16.2 ; C14.1 51.95,41.34 v2(51.25,40.65) 50.71,40.11 R125.1 ; R120.1 41.18,64.56 U21.2 ; U4.4 52.67,34.07 v2(52.25,33.65) ; v2(65.13,43.66) 64.06,43.66 C82.1 64.03,42.68 64.38,42.32 ; 61.02,29.98 v2(60.85,30.15) 60.85,29.27 60.61,29.03 ; 64,62.23 64.17,62.4 64.62,62.4 ; U34.7 61.66,20.14 v2(60.95,20.85) ; v2(26.47,12.16) 27.38,12.16 27.48,12.06 ; v2(102.6,41.9) 101.91,41.9 101.84,41.97 ; C81.1 51.77,50.65 v2(51.37,50.24) ; C17.1 64.57,71.5 v2(65.11,70.96) ; C107.2 100.49,52.19 v2(100.5,52.2) ; v2(64.65,33.55) 64.29,33.91 C16.1 ; v2(33.73,19.78) 33.73,19.23 33.71,19.21 ; v2(47.04,2.05) 46.37,1.38 U18.9 ; C59.2 45.82,43.11 48.32,45.61 Q9.2 ; Q4.3 60.61,48.51 v2(60.75,48.65) ; C12.1 64.66,25.06 v2(65.05,25.45) ; v2(73.85,82.15) 74.72,81.28 D4.2 75.48,82.07 v2(75.1,82.45) ; U34.5 61.4,17.6 v2(61.25,17.45) ; U10.2 35.8,62.18 35.57,62.42 35.57,63.43 35.85,63.72 v2(36.15,63.72) ; C63.1 16.96,61.24 v2(17.45,60.75) ; v2(53.93,25.52) 53.56,25.15 U1.4 ; 52.22,32.09 52.13,32.09 v2(51.43,31.39) ; 33.71,19.21 33.71,19.15 ; 33.71,19.21 33.71,18.97 ; 14.1,18.13 14.1,17.85 v2(14.38,17.58) 14.09,17.3 14.09,16.53 14.19,16.43 ; 97.5,42.4 97.79,42.11 C108.2 ; C2.1 v2(52.07,60.87) 52.53,61.33 U5.4 ; v2(60.55,39.15) 60.63,39.07 Q5.3 ; U24.2 30.78,62.25 v2(30.65,62.38) ; U24.2 30.78,61.85 31.35,62.43 33.02,62.43 33.6,61.85 ; v2(60.65,67.65) 60.44,67.44 Q1.3 ; U2.4 52.59,52.79 v2(52.05,52.25) ; v2(40.55,1.35) 40.55,1.35 C58.2 41.38,1.59 41.38,3.73 ; v2(104.05,81.75) 104.35,81.45 106.39,81.45 v2(106.55,81.6) ; v2(65.05,62.4) 64.62,62.4 ; 64.62,62.4 64.41,62.19 64.41,61.11 ; v2(17.44,63.94) C23.1 ; U7.4 52.59,43.19 v2(52.25,42.85) ; 30.78,18.98 C53.2 ; v2(112.25,9.25) 112,9 112,8 ; U8.4 52.51,71.11 v2(52.05,70.65) 52.04,70.64 C11.1 ; v2(60.45,58.05) 60.38,57.98 Q2.3 ; v2(64.75,52.96) C9.1 ; 102.73,53.64 101.94,53.64 v2(101.2,52.9) 101.2,53.69 C104.2 v2(100.54,54.34) ; v2(97.71,12.09) 97.1,12.7 C86.2 ; v2(33.86,34.61) 34.6,35.35 C36.2 ; C102.2 95.48,81.88 v2(95.8,82.2) ; C44.2 30.56,16.41 C46.2 ; v2(60.45,74.85) 60.28,75.02 Q3.3 ; v2(43.25,8.35) 43.2,8.3 C57.2 43.2,5.55 Y3.2 43.08,5.03